# Altium PCB H-00488.PcbDoc (part 1 of 9) (continued)
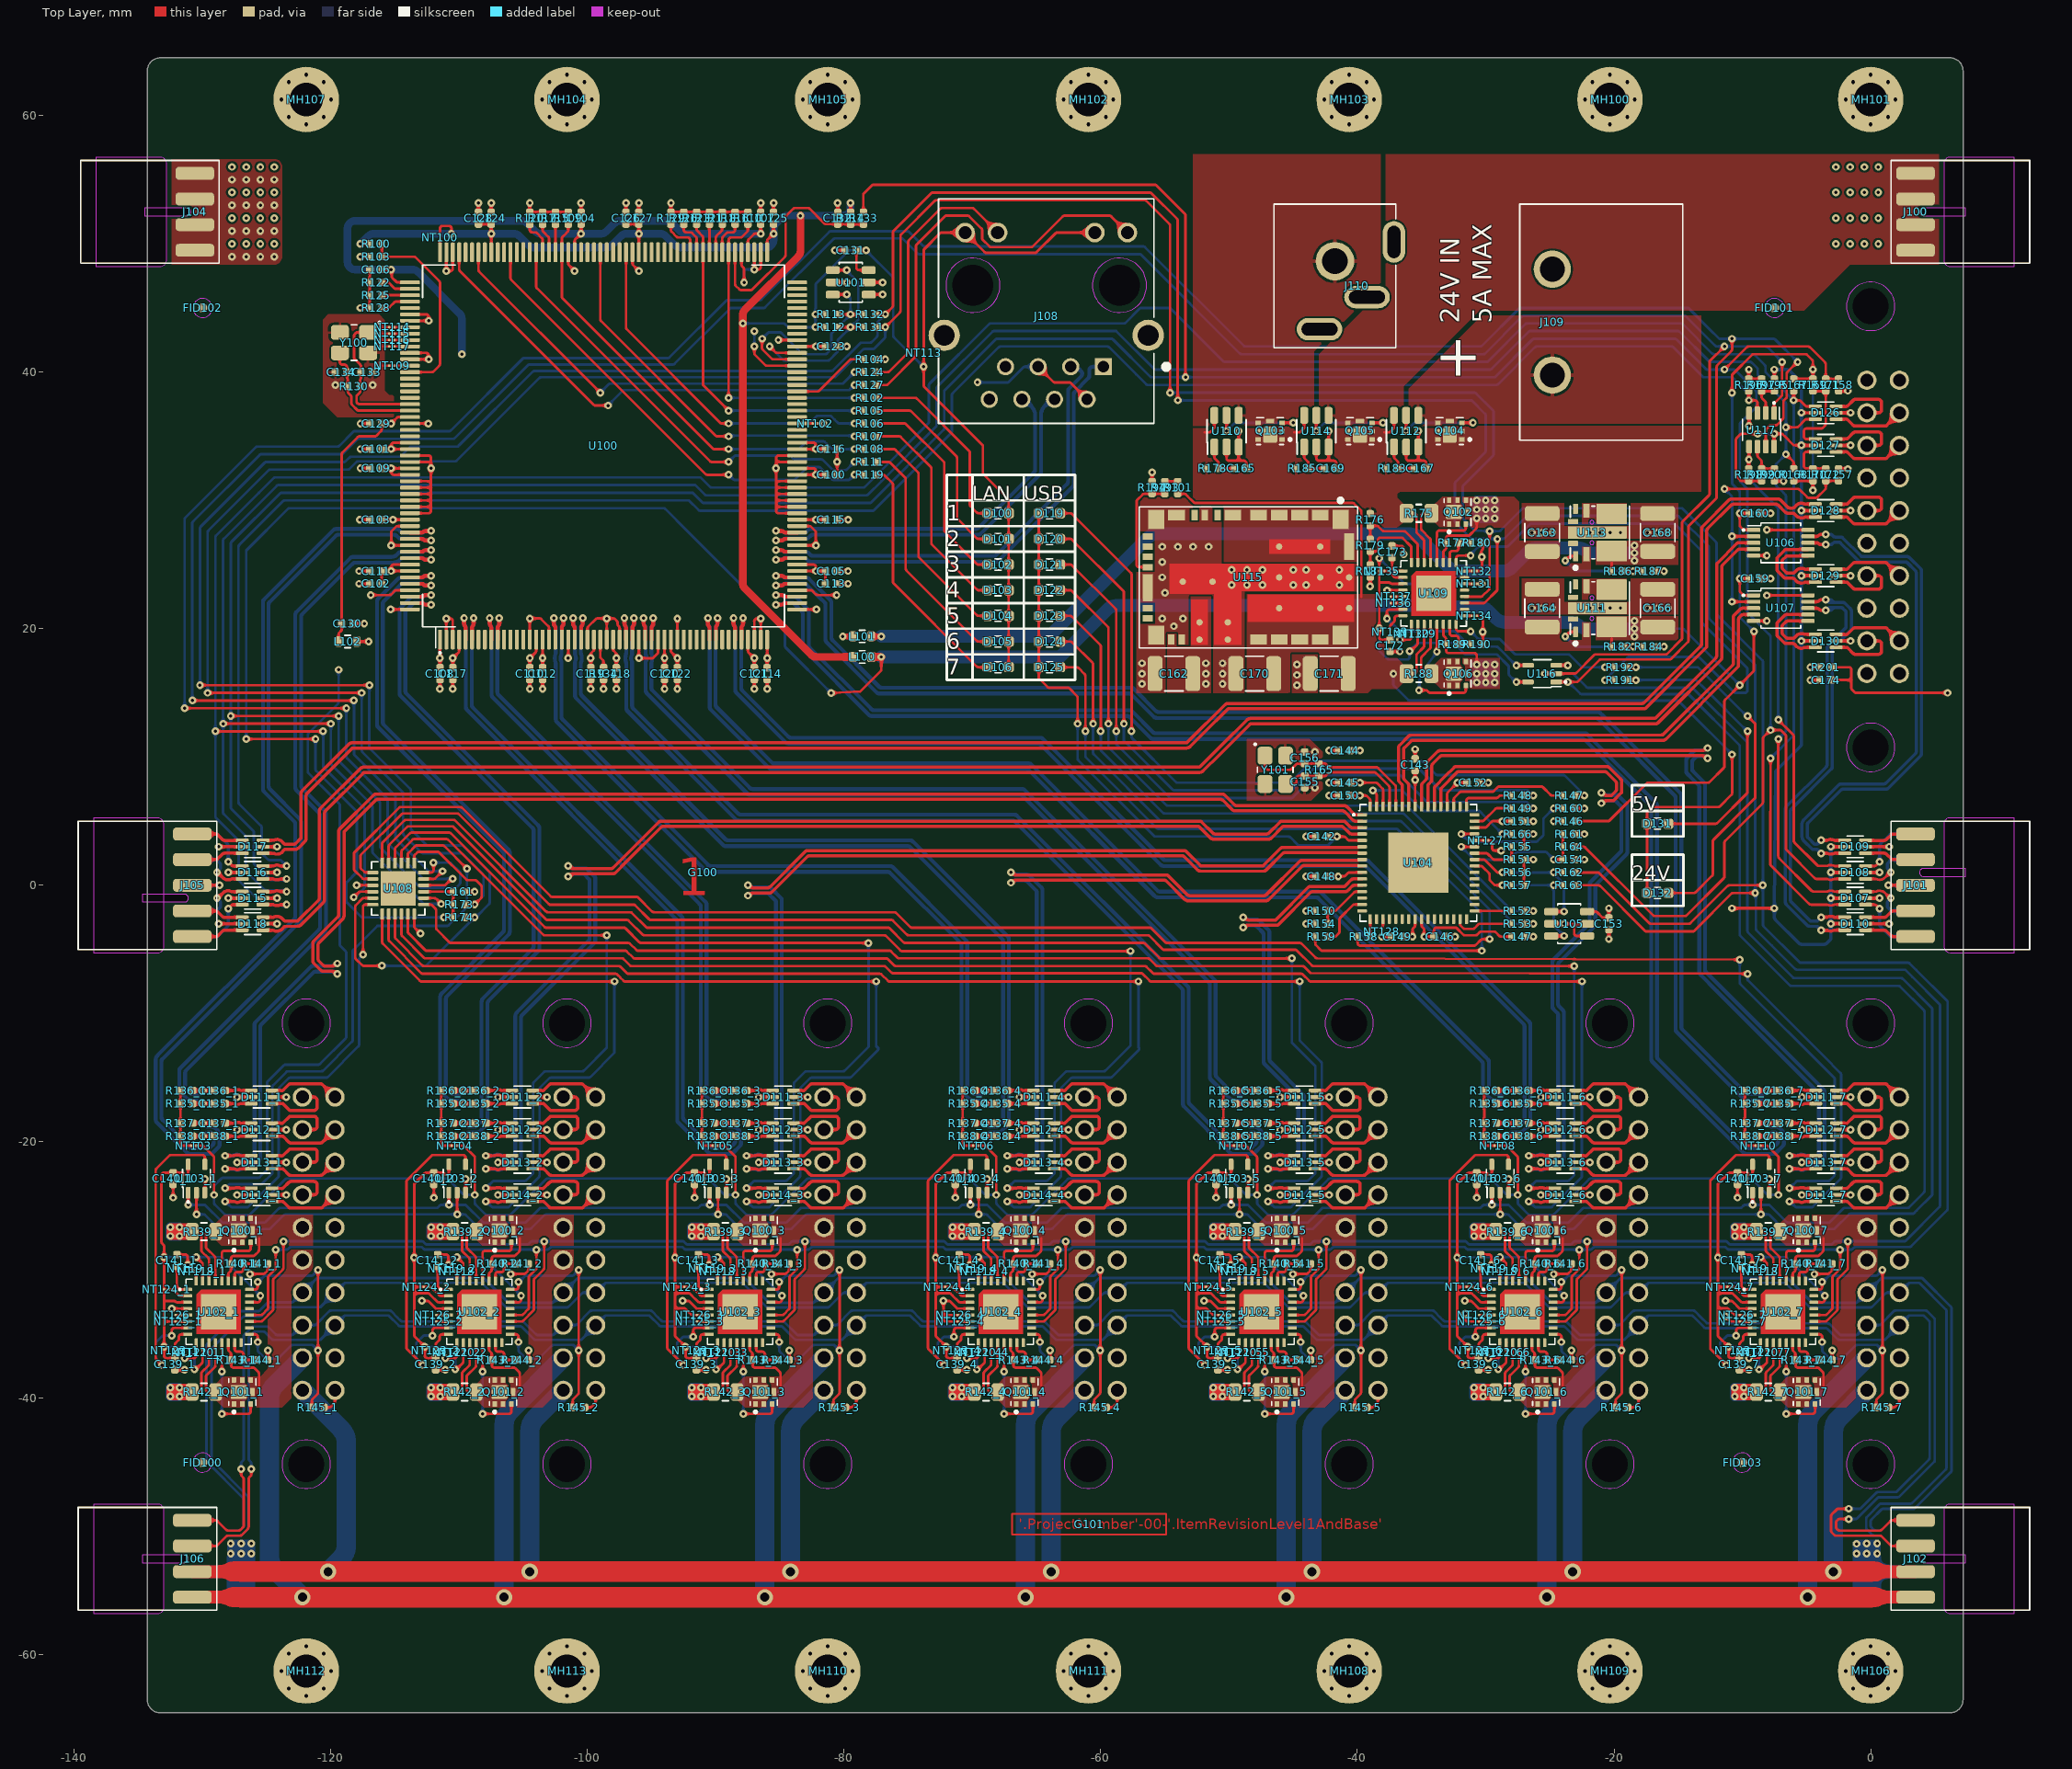
[diagram p0: Top Layer view]
## Classes and differential pairs (continued)
differential pair LAN2.RX: +LAN2.RX_P -LAN2.RX_N
differential pair LAN1.TX: +LAN1.TX_P -LAN1.TX_N
differential pair LAN1.RX: +LAN1.RX_P -LAN1.RX_N
differential pair USB_HOST_3: +USB_HOST_3_P -USB_HOST_3_N
differential pair USB_HOST_1: +USB_HOST_1_P -USB_HOST_1_N
differential pair US2.D: +US2.D_P -US2.D_N
differential pair US1.D: +US1.D_P -US1.D_N
differential pair HOST3.D: +HOST3.D_P -HOST3.D_N
differential pair HOST2.D: +HOST2.D_P -HOST2.D_N
differential pair HOST1.D: +HOST1.D_P -HOST1.D_N
differential pair USB_D_7: +USB_D_7_P -USB_D_7_N
differential pair USB_D_6: +USB_D_6_P -USB_D_6_N
differential pair USB_D_5: +USB_D_5_P -USB_D_5_N
differential pair USB_D_4: +USB_D_4_P -USB_D_4_N
differential pair USB_D_3: +USB_D_3_P -USB_D_3_N
differential pair USB_D_2: +USB_D_2_P -USB_D_2_N
differential pair USB_D_1: +USB_D_1_P -USB_D_1_N
differential pair LAN_TX_EXT_7: +LAN_TX_EXT_7_P -LAN_TX_EXT_7_N
differential pair LAN_TX_EXT_6: +LAN_TX_EXT_6_P -LAN_TX_EXT_6_N
differential pair LAN_TX_EXT_5: +LAN_TX_EXT_5_P -LAN_TX_EXT_5_N
differential pair LAN_TX_EXT_4: +LAN_TX_EXT_4_P -LAN_TX_EXT_4_N
differential pair LAN_TX_EXT_3: +LAN_TX_EXT_3_P -LAN_TX_EXT_3_N
differential pair LAN_TX_EXT_2: +LAN_TX_EXT_2_P -LAN_TX_EXT_2_N
differential pair LAN_TX_EXT_1: +LAN_TX_EXT_1_P -LAN_TX_EXT_1_N
differential pair LAN_TX_7: +LAN_TX_7_P -LAN_TX_7_N
differential pair LAN_TX_6: +LAN_TX_6_P -LAN_TX_6_N
differential pair LAN_TX_5: +LAN_TX_5_P -LAN_TX_5_N
differential pair LAN_TX_4: +LAN_TX_4_P -LAN_TX_4_N
differential pair LAN_TX_3: +LAN_TX_3_P -LAN_TX_3_N
differential pair LAN_TX_2: +LAN_TX_2_P -LAN_TX_2_N
differential pair LAN_TX_1: +LAN_TX_1_P -LAN_TX_1_N
differential pair LAN_RX_EXT_7: +LAN_RX_EXT_7_P -LAN_RX_EXT_7_N
differential pair LAN_RX_EXT_6: +LAN_RX_EXT_6_P -LAN_RX_EXT_6_N
differential pair LAN_RX_EXT_5: +LAN_RX_EXT_5_P -LAN_RX_EXT_5_N
differential pair LAN_RX_EXT_4: +LAN_RX_EXT_4_P -LAN_RX_EXT_4_N
differential pair LAN_RX_EXT_3: +LAN_RX_EXT_3_P -LAN_RX_EXT_3_N
differential pair LAN_RX_EXT_2: +LAN_RX_EXT_2_P -LAN_RX_EXT_2_N
differential pair LAN_RX_EXT_1: +LAN_RX_EXT_1_P -LAN_RX_EXT_1_N
differential pair LAN_RX_7: +LAN_RX_7_P -LAN_RX_7_N
differential pair LAN_RX_6: +LAN_RX_6_P -LAN_RX_6_N
differential pair LAN_RX_5: +LAN_RX_5_P -LAN_RX_5_N
differential pair LAN_RX_4: +LAN_RX_4_P -LAN_RX_4_N
differential pair LAN_RX_3: +LAN_RX_3_P -LAN_RX_3_N
differential pair LAN_RX_2: +LAN_RX_2_P -LAN_RX_2_N
differential pair LAN_RX_1: +LAN_RX_1_P -LAN_RX_1_N

## Components (designator, comment, footprint, x,y, rotation, side; value= is the part's Value field where it differs from the comment)
C100 "C0402C104K8RACTU" CAPC100X50X55L30N -81,32 r0 top value=100nF
C101 "C0402C104K8RACTU" CAPC100X50X55L30N -116.5,34 r180 top value=100nF
C102 "C0402C104K8RACTU" CAPC100X50X55L30N -116.5,23.5 r180 top value=100nF
C103 "C0402C104K8RACTU" CAPC100X50X55L30N -116.5,28.5 r180 top value=100nF
C104 "C0402C104K8RACTU" CAPC100X50X55L30N -100.5,52 r90 top value=100nF
C105 "C0402C104K8RACTU" CAPC100X50X55L30N -81,24.5 r0 top value=100nF
C106 "C0402C104K8RACTU" CAPC100X50X55L30N -116.5,48 r180 top value=100nF
C107 "C0402C104K8RACTU" CAPC100X50X55L30N -86.5,52 r90 top value=100nF
C108 "C0402C104K8RACTU" CAPC100X50X55L30N -111.5,16.5 r270 top value=100nF
C109 "C0402C104K8RACTU" CAPC100X50X55L30N -116.5,32.5 r180 top value=100nF
C110 "C0402C104K8RACTU" CAPC100X50X55L30N -104.5,16.5 r270 top value=100nF
C111 "C0402C104K8RACTU" CAPC100X50X55L30N -116.5,24.5 r180 top value=100nF
C112 "C0402C104K8RACTU" CAPC100X50X55L30N -103.5,16.5 r270 top value=100nF
C113 "C0402C104K8RACTU" CAPC100X50X55L30N -81,23.5 r0 top value=100nF
C114 "C0402C104K8RACTU" CAPC100X50X55L30N -86,16.5 r270 top value=100nF
C115 "C0402C104K8RACTU" CAPC100X50X55L30N -81,28.5 r0 top value=100nF
C116 "C0402C104K8RACTU" CAPC100X50X55L30N -81,34 r0 top value=100nF
C117 "C0402C104K8RACTU" CAPC100X50X55L30N -110.5,16.5 r270 top value=100nF
C118 "C0402C104K8RACTU" CAPC100X50X55L30N -97.75,16.5 r270 top value=100nF
C119 "C0402C104K8RACTU" CAPC100X50X55L30N -99.75,16.5 r270 top value=100nF
C120 "C0402C104K8RACTU" CAPC100X50X55L30N -94,16.5 r270 top value=100nF
C121 "C0402C104K8RACTU" CAPC100X50X55L30N -87,16.5 r270 top value=100nF
C122 "C0402C104K8RACTU" CAPC100X50X55L30N -93,16.5 r270 top value=100nF
C123 "C0402C104K8RACTU" CAPC100X50X55L30N -81,42 r0 top value=100nF
C124 "C0402C104K8RACTU" CAPC100X50X55L30N -107.5,52 r90 top value=100nF
C125 "C0402C104K8RACTU" CAPC100X50X55L30N -85.5,52 r90 top value=100nF
C126 "C0402C104K8RACTU" CAPC100X50X55L30N -97,52 r90 top value=100nF
C127 "C0402C104K8RACTU" CAPC100X50X55L30N -96,52 r90 top value=100nF
C128 "C0402C104K8RACTU" CAPC100X50X55L30N -108.5,52 r90 top value=100nF
C129 "C0402C104K8RACTU" CAPC100X50X55L30N -116.5,36 r180 top value=100nF
C130 "C0402C104K8RACTU" CAPC100X50X55L30N -118.7,20.4 r0 top value=100nF
C131 "C0402C104K8RACTU" CAPC100X50X55L30N -79.5,49.5 r180 top value=100nF
C132 "C0402C104K8RACTU" CAPC100X50X55L30N -80.5,52 r90 top value=100nF
C133 "C0402C180J5GACTU" CAPC100X50X55L30N -117.2,40 r0 top value=18pF
C134 "C0402C180J5GACTU" CAPC100X50X55L30N -119.2,40 r180 top value=18pF
C135_1 "C0402C104K8RACTU" CAPC100X50X55L30N -128.697,-17.018 r0 top locked value=100nF (schematic designator C135)
C135_2 "C0402C104K8RACTU" CAPC100X50X55L30N -108.377,-17.018 r0 top locked value=100nF (schematic designator C135)
C135_3 "C0402C104K8RACTU" CAPC100X50X55L30N -88.057,-17.018 r0 top locked value=100nF (schematic designator C135)
C135_4 "C0402C104K8RACTU" CAPC100X50X55L30N -67.737,-17.018 r0 top locked value=100nF (schematic designator C135)
C135_5 "C0402C104K8RACTU" CAPC100X50X55L30N -47.417,-17.018 r0 top locked value=100nF (schematic designator C135)
C135_6 "C0402C104K8RACTU" CAPC100X50X55L30N -27.097,-17.018 r0 top locked value=100nF (schematic designator C135)
C135_7 "C0402C104K8RACTU" CAPC100X50X55L30N -6.777,-17.018 r0 top locked value=100nF (schematic designator C135)
C136_1 "C0402C104K8RACTU" CAPC100X50X55L30N -128.697,-16.002 r0 top locked value=100nF (schematic designator C136)
C136_2 "C0402C104K8RACTU" CAPC100X50X55L30N -108.377,-16.002 r0 top locked value=100nF (schematic designator C136)
C136_3 "C0402C104K8RACTU" CAPC100X50X55L30N -88.057,-16.002 r0 top locked value=100nF (schematic designator C136)
C136_4 "C0402C104K8RACTU" CAPC100X50X55L30N -67.737,-16.002 r0 top locked value=100nF (schematic designator C136)
C136_5 "C0402C104K8RACTU" CAPC100X50X55L30N -47.417,-16.002 r0 top locked value=100nF (schematic designator C136)
C136_6 "C0402C104K8RACTU" CAPC100X50X55L30N -27.097,-16.002 r0 top locked value=100nF (schematic designator C136)
C136_7 "C0402C104K8RACTU" CAPC100X50X55L30N -6.777,-16.002 r0 top locked value=100nF (schematic designator C136)
C137_1 "C0402C104K8RACTU" CAPC100X50X55L30N -128.697,-18.542 r0 top locked value=100nF (schematic designator C137)
C137_2 "C0402C104K8RACTU" CAPC100X50X55L30N -108.377,-18.542 r0 top locked value=100nF (schematic designator C137)
C137_3 "C0402C104K8RACTU" CAPC100X50X55L30N -88.057,-18.542 r0 top locked value=100nF (schematic designator C137)
C137_4 "C0402C104K8RACTU" CAPC100X50X55L30N -67.737,-18.542 r0 top locked value=100nF (schematic designator C137)
C137_5 "C0402C104K8RACTU" CAPC100X50X55L30N -47.417,-18.542 r0 top locked value=100nF (schematic designator C137)
C137_6 "C0402C104K8RACTU" CAPC100X50X55L30N -27.097,-18.542 r0 top locked value=100nF (schematic designator C137)
C137_7 "C0402C104K8RACTU" CAPC100X50X55L30N -6.777,-18.542 r0 top locked value=100nF (schematic designator C137)
C138_1 "C0402C104K8RACTU" CAPC100X50X55L30N -128.697,-19.558 r0 top locked value=100nF (schematic designator C138)
C138_2 "C0402C104K8RACTU" CAPC100X50X55L30N -108.377,-19.558 r0 top locked value=100nF (schematic designator C138)
C138_3 "C0402C104K8RACTU" CAPC100X50X55L30N -88.057,-19.558 r0 top locked value=100nF (schematic designator C138)
C138_4 "C0402C104K8RACTU" CAPC100X50X55L30N -67.737,-19.558 r0 top locked value=100nF (schematic designator C138)
C138_5 "C0402C104K8RACTU" CAPC100X50X55L30N -47.417,-19.558 r0 top locked value=100nF (schematic designator C138)
C138_6 "C0402C104K8RACTU" CAPC100X50X55L30N -27.097,-19.558 r0 top locked value=100nF (schematic designator C138)
C138_7 "C0402C104K8RACTU" CAPC100X50X55L30N -6.777,-19.558 r0 top locked value=100nF (schematic designator C138)
C139_1 "C0402C104K8RACTU" CAPC100X50X55L30N -132.154,-37.317 r270 top value=100nF (schematic designator C139)
C139_2 "C0402C104K8RACTU" CAPC100X50X55L30N -111.834,-37.317 r270 top value=100nF (schematic designator C139)
C139_3 "C0402C104K8RACTU" CAPC100X50X55L30N -91.514,-37.317 r270 top value=100nF (schematic designator C139)
C139_4 "C0402C104K8RACTU" CAPC100X50X55L30N -71.194,-37.317 r270 top value=100nF (schematic designator C139)
C139_5 "C0402C104K8RACTU" CAPC100X50X55L30N -50.874,-37.317 r270 top value=100nF (schematic designator C139)
C139_6 "C0402C104K8RACTU" CAPC100X50X55L30N -30.554,-37.317 r270 top value=100nF (schematic designator C139)
C139_7 "C0402C104K8RACTU" CAPC100X50X55L30N -10.234,-37.317 r270 top value=100nF (schematic designator C139)
C140_1 "C0402C104K8RACTU" CAPC100X50X55L30N -132.3,-22.86 r270 top value=100nF (schematic designator C140)
C140_2 "C0402C104K8RACTU" CAPC100X50X55L30N -111.98,-22.86 r270 top value=100nF (schematic designator C140)
C140_3 "C0402C104K8RACTU" CAPC100X50X55L30N -91.66,-22.86 r270 top value=100nF (schematic designator C140)
C140_4 "C0402C104K8RACTU" CAPC100X50X55L30N -71.34,-22.86 r270 top value=100nF (schematic designator C140)
C140_5 "C0402C104K8RACTU" CAPC100X50X55L30N -51.02,-22.86 r270 top value=100nF (schematic designator C140)
C140_6 "C0402C104K8RACTU" CAPC100X50X55L30N -30.7,-22.86 r270 top value=100nF (schematic designator C140)
C140_7 "C0402C104K8RACTU" CAPC100X50X55L30N -10.38,-22.86 r270 top value=100nF (schematic designator C140)
C141_1 "C0402C104K8RACTU" CAPC100X50X55L30N -132,-29.241 r90 top value=100nF (schematic designator C141)
C141_2 "C0402C104K8RACTU" CAPC100X50X55L30N -111.68,-29.241 r90 top value=100nF (schematic designator C141)
C141_3 "C0402C104K8RACTU" CAPC100X50X55L30N -91.36,-29.241 r90 top value=100nF (schematic designator C141)
C141_4 "C0402C104K8RACTU" CAPC100X50X55L30N -71.04,-29.241 r90 top value=100nF (schematic designator C141)
C141_5 "C0402C104K8RACTU" CAPC100X50X55L30N -50.72,-29.241 r90 top value=100nF (schematic designator C141)
C141_6 "C0402C104K8RACTU" CAPC100X50X55L30N -30.4,-29.241 r90 top value=100nF (schematic designator C141)
C141_7 "C0402C104K8RACTU" CAPC100X50X55L30N -10.08,-29.241 r90 top value=100nF (schematic designator C141)
C142 "C0402C105K4PACTU" CAPC100X50X55L30N -42.8,3.8 r0 top value=1µF
C143 "C0402C104K8RACTU" CAPC100X50X55L30N -35.5,9.4 r90 top value=100nF
C144 "C0402C104K8RACTU" CAPC100X50X55L30N -41,10.5 r180 top value=100nF
C145 "C0402C105K4PACTU" CAPC100X50X55L30N -41,8 r0 top value=1µF
C146 "C0402C104K8RACTU" CAPC100X50X55L30N -33.573,-4 r0 top value=100nF
C147 "C0402C105K4PACTU" CAPC100X50X55L30N -27.5,-4 r180 top value=1µF
C148 "C0402C105K4PACTU" CAPC100X50X55L30N -42.8,0.7 r0 top value=1µF
C149 "C0402C104K8RACTU" CAPC100X50X55L30N -36.9,-4 r180 top value=100nF
C150 "C0402C104K8RACTU" CAPC100X50X55L30N -41,7 r180 top value=100nF
C151 "C0402C104K8RACTU" CAPC100X50X55L30N -27.5,5 r0 top value=100nF
C152 "C0402C104K8RACTU" CAPC100X50X55L30N -31,8 r0 top value=100nF
C153 "C0402C104K8RACTU" CAPC100X50X55L30N -20.4,-3 r270 top value=100nF
C154 "C0402C104K8RACTU" CAPC100X50X55L30N -23.5,2 r0 top value=100nF
C155 "C0402C180J5GACTU" CAPC100X50X55L30N -44.103,8.065 r270 top value=18pF
C156 "C0402C180J5GACTU" CAPC100X50X55L30N -44.11,9.935 r90 top value=18pF
C157 "C0402C104K8RACTU" CAPC100X50X55L30N -2.5,32 r90 top value=100nF
C158 "C0402C104K8RACTU" CAPC100X50X55L30N -2.5,39 r270 top value=100nF
C159 "C0402C104K8RACTU" CAPC100X50X55L30N -9,23.9 r0 top value=100nF
C160 "C0402C104K8RACTU" CAPC100X50X55L30N -9,29 r0 top value=100nF
C161 "C0402C104K8RACTU" CAPC100X50X55L30N -110,-0.5 r0 top value=100nF
C162 "C1210C106K5RACTU" CAPC320X250X245L50N -54.3,16.5 r0 top value=10µF
C163 "C1210C106K5RACTU" CAPC320X250X245L50N -25.6,27.5 r270 top value=10µF
C164 "C1210C106K5RACTU" CAPC320X250X245L50N -25.6,21.6 r270 top value=10µF
C165 "C0402C223K5RACTU" CAPC100X50X55L30N -49.1,32.5 r0 top value=22nF
C166 "C1210C476M8RACTU" CAPC320X250X170L50N -16.6,21.6 r90 top value=47µF
C167 "C0402C223K5RACTU" CAPC100X50X55L30N -35.1,32.5 r0 top value=22nF
C168 "C1210C476M8RACTU" CAPC320X250X170L50N -16.6,27.5 r90 top value=47µF
C169 "C0402C223K5RACTU" CAPC100X50X55L30N -42.1,32.5 r0 top value=22nF
C170 "C1210C476M8RACTU" CAPC320X250X170L50N -48,16.5 r180 top value=47µF
C171 "C1210C476M8RACTU" CAPC320X250X170L50N -42.2,16.5 r180 top value=47µF
C172 "C0402C104K8RACTU" CAPC100X50X55L30N -37.454,18.683 r270 top value=100nF
C173 "C0402C104K8RACTU" CAPC100X50X55L30N -37.3,26 r90 top value=100nF
C174 "C0402C104K8RACTU" CAPC100X50X55L30N -3.5,16 r180 top value=100nF
D100 "SML-E12P8W" LEDC170X80X80L20_GREEN -68,29 r0 top
D101 "SML-E12P8W" LEDC170X80X80L20_GREEN -68,27 r0 top
D102 "SML-E12P8W" LEDC170X80X80L20_GREEN -68,25 r0 top
D103 "SML-E12P8W" LEDC170X80X80L20_GREEN -68,23 r0 top
D104 "SML-E12P8W" LEDC170X80X80L20_GREEN -68,21 r0 top
D105 "SML-E12P8W" LEDC170X80X80L20_GREEN -68,19 r0 top
D106 "SML-E12P8W" LEDC170X80X80L20_GREEN -68,17 r0 top
D107 "USBLC6-2P6" DIOSOFL6P50_160X160X95L29X26 -1.205,-1 r90 top
D108 "USBLC6-2P6" DIOSOFL6P50_160X160X95L29X26 -1.205,1 r90 top
D109 "USBLC6-2P6" DIOSOFL6P50_160X160X95L29X26 -1.205,3 r90 top
D110 "USBLC6-2P6" DIOSOFL6P50_160X160X95L29X26 -1.205,-3 r90 top
D111_1 "USBLC6-2P6" DIOSOFL6P50_160X160X95L29X26 -125.395,-16.51 r90 top locked (schematic designator D111)
D111_2 "USBLC6-2P6" DIOSOFL6P50_160X160X95L29X26 -105.075,-16.51 r90 top (schematic designator D111)
D111_3 "USBLC6-2P6" DIOSOFL6P50_160X160X95L29X26 -84.755,-16.51 r90 top (schematic designator D111)
D111_4 "USBLC6-2P6" DIOSOFL6P50_160X160X95L29X26 -64.435,-16.51 r90 top (schematic designator D111)
D111_5 "USBLC6-2P6" DIOSOFL6P50_160X160X95L29X26 -44.115,-16.51 r90 top (schematic designator D111)
D111_6 "USBLC6-2P6" DIOSOFL6P50_160X160X95L29X26 -23.795,-16.51 r90 top (schematic designator D111)
D111_7 "USBLC6-2P6" DIOSOFL6P50_160X160X95L29X26 -3.475,-16.51 r90 top (schematic designator D111)
D112_1 "USBLC6-2P6" DIOSOFL6P50_160X160X95L29X26 -125.395,-19.05 r90 top locked (schematic designator D112)
D112_2 "USBLC6-2P6" DIOSOFL6P50_160X160X95L29X26 -105.075,-19.05 r90 top (schematic designator D112)
D112_3 "USBLC6-2P6" DIOSOFL6P50_160X160X95L29X26 -84.755,-19.05 r90 top (schematic designator D112)
D112_4 "USBLC6-2P6" DIOSOFL6P50_160X160X95L29X26 -64.435,-19.05 r90 top (schematic designator D112)
D112_5 "USBLC6-2P6" DIOSOFL6P50_160X160X95L29X26 -44.115,-19.05 r90 top (schematic designator D112)
D112_6 "USBLC6-2P6" DIOSOFL6P50_160X160X95L29X26 -23.795,-19.05 r90 top (schematic designator D112)
D112_7 "USBLC6-2P6" DIOSOFL6P50_160X160X95L29X26 -3.475,-19.05 r90 top (schematic designator D112)
D113_1 "USBLC6-2P6" DIOSOFL6P50_160X160X95L29X26 -125.395,-21.59 r90 top locked (schematic designator D113)
D113_2 "USBLC6-2P6" DIOSOFL6P50_160X160X95L29X26 -105.075,-21.59 r90 top (schematic designator D113)
D113_3 "USBLC6-2P6" DIOSOFL6P50_160X160X95L29X26 -84.755,-21.59 r90 top (schematic designator D113)
D113_4 "USBLC6-2P6" DIOSOFL6P50_160X160X95L29X26 -64.435,-21.59 r90 top (schematic designator D113)
D113_5 "USBLC6-2P6" DIOSOFL6P50_160X160X95L29X26 -44.115,-21.59 r90 top (schematic designator D113)
D113_6 "USBLC6-2P6" DIOSOFL6P50_160X160X95L29X26 -23.795,-21.59 r90 top (schematic designator D113)
D113_7 "USBLC6-2P6" DIOSOFL6P50_160X160X95L29X26 -3.475,-21.59 r90 top (schematic designator D113)
D114_1 "USBLC6-2P6" DIOSOFL6P50_160X160X95L29X26 -125.395,-24.13 r90 top locked (schematic designator D114)
D114_2 "USBLC6-2P6" DIOSOFL6P50_160X160X95L29X26 -105.075,-24.13 r90 top (schematic designator D114)
D114_3 "USBLC6-2P6" DIOSOFL6P50_160X160X95L29X26 -84.755,-24.13 r90 top (schematic designator D114)
D114_4 "USBLC6-2P6" DIOSOFL6P50_160X160X95L29X26 -64.435,-24.13 r90 top (schematic designator D114)
D114_5 "USBLC6-2P6" DIOSOFL6P50_160X160X95L29X26 -44.115,-24.13 r90 top (schematic designator D114)
D114_6 "USBLC6-2P6" DIOSOFL6P50_160X160X95L29X26 -23.795,-24.13 r90 top (schematic designator D114)
D114_7 "USBLC6-2P6" DIOSOFL6P50_160X160X95L29X26 -3.475,-24.13 r90 top (schematic designator D114)
D115 "USBLC6-2P6" DIOSOFL6P50_160X160X95L29X26 -126.1,-1 r270 top
D116 "USBLC6-2P6" DIOSOFL6P50_160X160X95L29X26 -126.1,1 r270 top
D117 "USBLC6-2P6" DIOSOFL6P50_160X160X95L29X26 -126.1,3 r270 top
D118 "USBLC6-2P6" DIOSOFL6P50_160X160X95L29X26 -126.1,-3 r270 top
D119 "SML-E12P8W" LEDC170X80X80L20_GREEN -64,29 r180 top
D120 "SML-E12P8W" LEDC170X80X80L20_GREEN -64,27 r180 top
D121 "SML-E12P8W" LEDC170X80X80L20_GREEN -64,25 r180 top
D122 "SML-E12P8W" LEDC170X80X80L20_GREEN -64,23 r180 top
D123 "SML-E12P8W" LEDC170X80X80L20_GREEN -64,21 r180 top
D124 "SML-E12P8W" LEDC170X80X80L20_GREEN -64,19 r180 top
D125 "SML-E12P8W" LEDC170X80X80L20_GREEN -64,17 r180 top
D126 "USBLC6-2P6" DIOSOFL6P50_160X160X95L29X26 -3.5,36.83 r90 top
D127 "USBLC6-2P6" DIOSOFL6P50_160X160X95L29X26 -3.495,34.29 r90 top
D128 "USBLC6-2P6" DIOSOFL6P50_160X160X95L29X26 -3.495,29.21 r90 top
D129 "USBLC6-2P6" DIOSOFL6P50_160X160X95L29X26 -3.495,24.13 r90 top
D130 "USBLC6-2P6" DIOSOFL6P50_160X160X95L29X26 -3.495,19.05 r90 top
D131 "SML-E12P8W" LEDC170X80X80L20_GREEN -16.6,4.8 r180 top
D132 "SML-E12P8W" LEDC170X80X80L20_GREEN -16.6,-0.6 r180 top
FID100 "FIDUCIAL" FIDUCIAL_075X150 -130,-45 r0 top
FID101 "FIDUCIAL" FIDUCIAL_075X150 -7.5,45 r0 top
FID102 "FIDUCIAL" FIDUCIAL_075X150 -130,45 r0 top
FID103 "FIDUCIAL" FIDUCIAL_075X150 -10,-45 r0 top
G100 "LOGO-HIBER" HIBER_LOGO_COPPER_55x40 -91,1 r0 top
G101 "HIBER-PARTNUMBER" HIBER_PNSN_COPPER -60.9,-49.8 r0 top
J100 "009159008061916" AVX_00-9159-008 7.4,52.5 r0 top locked
J101 "009159010061916" AVX_00-9159-010 7.4,0 r0 top locked
J102 "009159008061916" AVX_00-9159-008 7.4,-52.5 r0 top locked
J103_1 "09242206824" HARTING_09242206824 -120.95,-27.94 r270 bottom locked (schematic designator J103)
J103_2 "09242206824" HARTING_09242206824 -100.63,-27.94 r270 bottom locked (schematic designator J103)
J103_3 "09242206824" HARTING_09242206824 -80.31,-27.94 r270 bottom locked (schematic designator J103)
J103_4 "09242206824" HARTING_09242206824 -59.99,-27.94 r270 bottom locked (schematic designator J103)
J103_5 "09242206824" HARTING_09242206824 -39.67,-27.94 r270 bottom locked (schematic designator J103)
J103_6 "09242206824" HARTING_09242206824 -19.35,-27.94 r270 bottom locked (schematic designator J103)
J103_7 "09242206824" HARTING_09242206824 0.97,-27.94 r270 bottom locked (schematic designator J103)
J104 "009159008061916" AVX_00-9159-008 -134.5,52.5 r180 top locked
J105 "009159010061916" AVX_00-9159-010 -134.7,0 r180 top
J106 "009159008061916" AVX_00-9159-008 -134.7,-52.5 r180 top locked
J107 "09242206824" HARTING_09242206824 0.97,27.94 r270 bottom locked
J108 "74990101241" WURTH_74990101241 -64.25,44.75 r180 top
J109 "38700-7502" MOLEX_387007502 -21,43.9 r90 top
J110 "PJ-090BH" CUI_PJ-090BH -41.75,47.5 r0 top
L100 "BLM18PG121SN1D" BEADC160X80X95L30 -78.6,17.8 r180 top
L101 "BLM18PG121SN1D" BEADC160X80X95L30 -78.6,19.4 r180 top
L102 "BLM18PG121SN1D" BEADC160X80X95L30 -118.7,19 r180 top
MH100 "MOUNTING-HOLE" MTGP510H260V8H25 -20.32,61.25 r0 top locked
MH101 "MOUNTING-HOLE" MTGP510H260V8H25 0,61.25 r0 top locked
MH102 "MOUNTING-HOLE" MTGP510H260V8H25 -60.96,61.25 r0 top locked
MH103 "MOUNTING-HOLE" MTGP510H260V8H25 -40.64,61.25 r0 top locked
MH104 "MOUNTING-HOLE" MTGP510H260V8H25 -101.6,61.25 r0 top locked
MH105 "MOUNTING-HOLE" MTGP510H260V8H25 -81.28,61.25 r0 top locked
MH106 "MOUNTING-HOLE" MTGP510H260V8H25 0,-61.25 r0 top locked
MH107 "MOUNTING-HOLE" MTGP510H260V8H25 -121.92,61.25 r0 top locked
MH108 "MOUNTING-HOLE" MTGP510H260V8H25 -40.64,-61.25 r0 top locked
MH109 "MOUNTING-HOLE" MTGP510H260V8H25 -20.32,-61.25 r0 top locked
MH110 "MOUNTING-HOLE" MTGP510H260V8H25 -81.28,-61.25 r0 top locked
MH111 "MOUNTING-HOLE" MTGP510H260V8H25 -60.96,-61.25 r0 top locked
MH112 "MOUNTING-HOLE" MTGP510H260V8H25 -121.92,-61.25 r0 top locked
MH113 "MOUNTING-HOLE" MTGP510H260V8H25 -101.6,-61.25 r0 top locked
MP100 "LABEL-190x65" LABEL_200X65_OVERLAY -14,52.5 r180 bottom
NT100 "NET-TIE" NT200 -111.5,50.5 r270 top net-tie
NT101 "NET-TIE" NT200 -87.8,47.609 r270 bottom net-tie
NT102 "NET-TIE" NT200 -82.25,36 r180 top net-tie
NT103 "NET-TIE" NT200 -130.7,-20.3 r180 top net-tie
NT104 "NET-TIE" NT200 -110.38,-20.3 r180 top net-tie
NT105 "NET-TIE" NT200 -90.06,-20.3 r180 top net-tie
NT106 "NET-TIE" NT200 -69.74,-20.3 r180 top net-tie
NT107 "NET-TIE" NT200 -49.42,-20.3 r180 top net-tie
NT108 "NET-TIE" NT200 -29.1,-20.3 r180 top net-tie
NT109 "NET-TIE" NT200 -115.25,40.5 r0 top net-tie
NT110 "NET-TIE" NT200 -8.78,-20.3 r180 top net-tie
NT111 "NET-TIE" NT200 -87,42.6 r270 bottom net-tie
NT112 "NET-TIE" NT200 -68.4,39.2 r0 bottom net-tie
NT113 "NET-TIE" NT200 -73.8,41.5 r90 top net-tie
NT114 "NET-TIE" NT200 -115.25,43.5 r0 top net-tie
NT115 "NET-TIE" NT200 -115.25,43 r0 top net-tie
NT116 "NET-TIE" NT200 -115.25,42.5 r0 top net-tie
NT117 "NET-TIE" NT200 -115.25,42 r0 top net-tie
NT118_1 "NET-TIE" NT200 -130,-30.1 r270 top net-tie (schematic designator NT118)
NT118_2 "NET-TIE" NT200 -109.68,-30.1 r270 top net-tie (schematic designator NT118)
NT118_3 "NET-TIE" NT200 -89.36,-30.1 r270 top net-tie (schematic designator NT118)
NT118_4 "NET-TIE" NT200 -69.04,-30.1 r270 top net-tie (schematic designator NT118)
NT118_5 "NET-TIE" NT200 -48.72,-30.1 r270 top net-tie (schematic designator NT118)
NT118_6 "NET-TIE" NT200 -28.4,-30.1 r270 top net-tie (schematic designator NT118)
NT118_7 "NET-TIE" NT200 -8.08,-30.1 r270 top net-tie (schematic designator NT118)
NT119_1 "NET-TIE" NT200 -130.867,-29.891 r315 top net-tie (schematic designator NT119)
NT119_2 "NET-TIE" NT200 -110.547,-29.892 r315 top net-tie (schematic designator NT119)
NT119_3 "NET-TIE" NT200 -90.227,-29.892 r315 top net-tie (schematic designator NT119)
NT119_4 "NET-TIE" NT200 -69.907,-29.892 r315 top net-tie (schematic designator NT119)
NT119_5 "NET-TIE" NT200 -49.587,-29.892 r315 top net-tie (schematic designator NT119)
NT119_6 "NET-TIE" NT200 -29.267,-29.892 r315 top net-tie (schematic designator NT119)
NT119_7 "NET-TIE" NT200 -8.947,-29.892 r315 top net-tie (schematic designator NT119)
NT120_1 "NET-TIE" NT200 -130,-36.4 r90 top net-tie (schematic designator NT120)
NT120_2 "NET-TIE" NT200 -109.68,-36.4 r90 top net-tie (schematic designator NT120)
NT120_3 "NET-TIE" NT200 -89.36,-36.4 r90 top net-tie (schematic designator NT120)
NT120_4 "NET-TIE" NT200 -69.04,-36.4 r90 top net-tie (schematic designator NT120)
NT120_5 "NET-TIE" NT200 -48.72,-36.4 r90 top net-tie (schematic designator NT120)
NT120_6 "NET-TIE" NT200 -28.4,-36.4 r90 top net-tie (schematic designator NT120)
NT120_7 "NET-TIE" NT200 -8.08,-36.4 r90 top net-tie (schematic designator NT120)
NT121_1 "NET-TIE" NT200 -130.5,-36.4 r90 top net-tie (schematic designator NT121)
NT121_2 "NET-TIE" NT200 -110.18,-36.4 r90 top net-tie (schematic designator NT121)
NT121_3 "NET-TIE" NT200 -89.86,-36.4 r90 top net-tie (schematic designator NT121)
NT121_4 "NET-TIE" NT200 -69.54,-36.4 r90 top net-tie (schematic designator NT121)
NT121_5 "NET-TIE" NT200 -49.22,-36.4 r90 top net-tie (schematic designator NT121)
NT121_6 "NET-TIE" NT200 -28.9,-36.4 r90 top net-tie (schematic designator NT121)
NT121_7 "NET-TIE" NT200 -8.58,-36.4 r90 top net-tie (schematic designator NT121)
NT122_1 "NET-TIE" NT200 -129.61,-28.986 r0 bottom net-tie (schematic designator NT122)
NT122_2 "NET-TIE" NT200 -109.29,-28.986 r0 bottom net-tie (schematic designator NT122)
NT122_3 "NET-TIE" NT200 -88.97,-28.986 r0 bottom net-tie (schematic designator NT122)
NT122_4 "NET-TIE" NT200 -68.65,-28.986 r0 bottom net-tie (schematic designator NT122)
NT122_5 "NET-TIE" NT200 -48.33,-28.986 r0 bottom net-tie (schematic designator NT122)
NT122_6 "NET-TIE" NT200 -28.01,-28.986 r0 bottom net-tie (schematic designator NT122)
NT122_7 "NET-TIE" NT200 -7.69,-28.986 r0 bottom net-tie (schematic designator NT122)
NT123_1 "NET-TIE" NT200 -132.154,-36.254 r90 top net-tie (schematic designator NT123)
NT123_2 "NET-TIE" NT200 -111.834,-36.254 r90 top net-tie (schematic designator NT123)
NT123_3 "NET-TIE" NT200 -91.514,-36.254 r90 top net-tie (schematic designator NT123)
NT123_4 "NET-TIE" NT200 -71.194,-36.254 r90 top net-tie (schematic designator NT123)
NT123_5 "NET-TIE" NT200 -50.874,-36.254 r90 top net-tie (schematic designator NT123)
NT123_6 "NET-TIE" NT200 -30.554,-36.254 r90 top net-tie (schematic designator NT123)
NT123_7 "NET-TIE" NT200 -10.234,-36.254 r90 top net-tie (schematic designator NT123)
NT124_1 "NET-TIE" NT200 -132.8,-31.5 r0 top net-tie (schematic designator NT124)
NT124_2 "NET-TIE" NT200 -112.557,-31.304 r0 top net-tie (schematic designator NT124)
NT124_3 "NET-TIE" NT200 -92.237,-31.304 r0 top net-tie (schematic designator NT124)
NT124_4 "NET-TIE" NT200 -71.917,-31.304 r0 top net-tie (schematic designator NT124)
NT124_5 "NET-TIE" NT200 -51.597,-31.304 r0 top net-tie (schematic designator NT124)
NT124_6 "NET-TIE" NT200 -31.277,-31.304 r0 top net-tie (schematic designator NT124)
NT124_7 "NET-TIE" NT200 -10.957,-31.304 r0 top net-tie (schematic designator NT124)
NT125_1 "NET-TIE" NT200 -131.9,-34.004 r0 top net-tie (schematic designator NT125)
NT125_2 "NET-TIE" NT200 -111.58,-34.004 r0 top net-tie (schematic designator NT125)
NT125_3 "NET-TIE" NT200 -91.26,-34.004 r0 top net-tie (schematic designator NT125)
NT125_4 "NET-TIE" NT200 -70.94,-34.004 r0 top net-tie (schematic designator NT125)
NT125_5 "NET-TIE" NT200 -50.62,-34.004 r0 top net-tie (schematic designator NT125)
NT125_6 "NET-TIE" NT200 -30.3,-34.004 r0 top net-tie (schematic designator NT125)
NT125_7 "NET-TIE" NT200 -9.98,-34.004 r0 top net-tie (schematic designator NT125)
NT126_1 "NET-TIE" NT200 -131.9,-33.504 r0 top net-tie (schematic designator NT126)
NT126_2 "NET-TIE" NT200 -111.58,-33.504 r0 top net-tie (schematic designator NT126)
NT126_3 "NET-TIE" NT200 -91.26,-33.504 r0 top net-tie (schematic designator NT126)
NT126_4 "NET-TIE" NT200 -70.94,-33.504 r0 top net-tie (schematic designator NT126)
NT126_5 "NET-TIE" NT200 -50.62,-33.504 r0 top net-tie (schematic designator NT126)
NT126_6 "NET-TIE" NT200 -30.3,-33.504 r0 top net-tie (schematic designator NT126)
NT126_7 "NET-TIE" NT200 -9.98,-33.504 r0 top net-tie (schematic designator NT126)
NT127 "NET-TIE" NT200 -30,3.5 r180 top net-tie
NT128 "NET-TIE" NT200 -38.1,-3.6 r270 top net-tie
NT129 "NET-TIE" NT200 -35.3,19.6 r90 top net-tie
NT130 "NET-TIE" NT200 -35.8,19.6 r90 top net-tie
NT131 "NET-TIE" NT200 -30.9,23.5 r180 top net-tie
NT132 "NET-TIE" NT200 -30.9,24.5 r0 top net-tie
NT133 "NET-TIE" NT200 -37.454,19.746 r90 top net-tie
NT134 "NET-TIE" NT200 -30.9,21 r0 top net-tie
NT135 "NET-TIE" NT200 -38.1,24.5 r0 top net-tie
NT136 "NET-TIE" NT200 -37.2,22 r0 top net-tie
NT137 "NET-TIE" NT200 -37.2,22.5 r0 top net-tie
PCB100 "TITLE-BLOCK" TITLEBLOCK-A4 -156.1,-116.995 r0 top locked
Q100_1 "BUK7D25-40EX" NEXPERIA_SOT1220 -126.9,-26.9 r0 top (schematic designator Q100)
Q100_2 "BUK7D25-40EX" NEXPERIA_SOT1220 -106.58,-26.9 r0 top (schematic designator Q100)
Q100_3 "BUK7D25-40EX" NEXPERIA_SOT1220 -86.26,-26.9 r0 top (schematic designator Q100)
Q100_4 "BUK7D25-40EX" NEXPERIA_SOT1220 -65.94,-26.9 r0 top (schematic designator Q100)
Q100_5 "BUK7D25-40EX" NEXPERIA_SOT1220 -45.62,-26.9 r0 top (schematic designator Q100)
Q100_6 "BUK7D25-40EX" NEXPERIA_SOT1220 -25.3,-26.9 r0 top (schematic designator Q100)
Q100_7 "BUK7D25-40EX" NEXPERIA_SOT1220 -4.98,-26.9 r0 top (schematic designator Q100)
Q101_1 "BUK7D25-40EX" NEXPERIA_SOT1220 -126.9,-39.5 r0 top (schematic designator Q101)
Q101_2 "BUK7D25-40EX" NEXPERIA_SOT1220 -106.58,-39.5 r0 top (schematic designator Q101)
Q101_3 "BUK7D25-40EX" NEXPERIA_SOT1220 -86.26,-39.5 r0 top (schematic designator Q101)
Q101_4 "BUK7D25-40EX" NEXPERIA_SOT1220 -65.94,-39.5 r0 top (schematic designator Q101)
Q101_5 "BUK7D25-40EX" NEXPERIA_SOT1220 -45.62,-39.5 r0 top (schematic designator Q101)
Q101_6 "BUK7D25-40EX" NEXPERIA_SOT1220 -25.3,-39.5 r0 top (schematic designator Q101)
Q101_7 "BUK7D25-40EX" NEXPERIA_SOT1220 -4.98,-39.5 r0 top (schematic designator Q101)
Q102 "BUK7D25-40EX" NEXPERIA_SOT1220 -32.2,29.1 r0 top
Q103 "BUK7D25-40EX" NEXPERIA_SOT1220 -46.8,35.4 r90 top
Q104 "BUK7D25-40EX" NEXPERIA_SOT1220 -32.8,35.4 r90 top
Q105 "BUK7D25-40EX" NEXPERIA_SOT1220 -39.8,35.4 r90 top
Q106 "BUK7D25-40EX" NEXPERIA_SOT1220 -32.2,16.5 r0 top
R100 "CRCW04021K20FKED" RESC100X50X40L25N -116.5,50 r0 top value=1.2k
R101 "CRCW040220K0FKED" RESC100X50X40L25N -54,31 r90 top value=20k
R102 "CRCW04021K20FKED" RESC100X50X40L25N -78,38 r180 top value=1.2k
R103 "CRCW04021K20FKED" RESC100X50X40L25N -116.5,49 r0 top value=1.2k
R104 "CRCW04021K20FKED" RESC100X50X40L25N -78,41 r180 top value=1.2k
R105 "CRCW04021K20FKED" RESC100X50X40L25N -78,37 r180 top value=1.2k
R106 "CRCW04021K20FKED" RESC100X50X40L25N -78,36 r180 top value=1.2k
R107 "CRCW04021K20FKED" RESC100X50X40L25N -78,35 r180 top value=1.2k
R108 "CRCW04021K20FKED" RESC100X50X40L25N -78,34 r180 top value=1.2k
R109 "CRCW04021K20FKED" RESC100X50X40L25N -101.5,52 r90 top value=1.2k
R110 "CRCW04021K20FKED" RESC100X50X40L25N -87.5,52 r90 top value=1.2k
R111 "CRCW04021K20FKED" RESC100X50X40L25N -78,33 r180 top value=1.2k
R112 "CRCW040210K0FKED" RESC100X50X40L25N -81,43.5 r0 top value=10k
R113 "CRCW040210K0FKED" RESC100X50X40L25N -81,44.5 r0 top value=10k
R114 "CRCW040210K0FKED" RESC100X50X40L25N -79.5,52 r270 top value=10k
R115 "CRCW04021K20FKED" RESC100X50X40L25N -102.5,52 r90 top value=1.2k
R116 "CRCW04021K20FKED" RESC100X50X40L25N -88.5,52 r90 top value=1.2k
R117 "CRCW04021K20FKED" RESC100X50X40L25N -103.5,52 r90 top value=1.2k